# Altium PCB PROC114E3_BRD.PcbDoc (part 6 of 18) (continued)
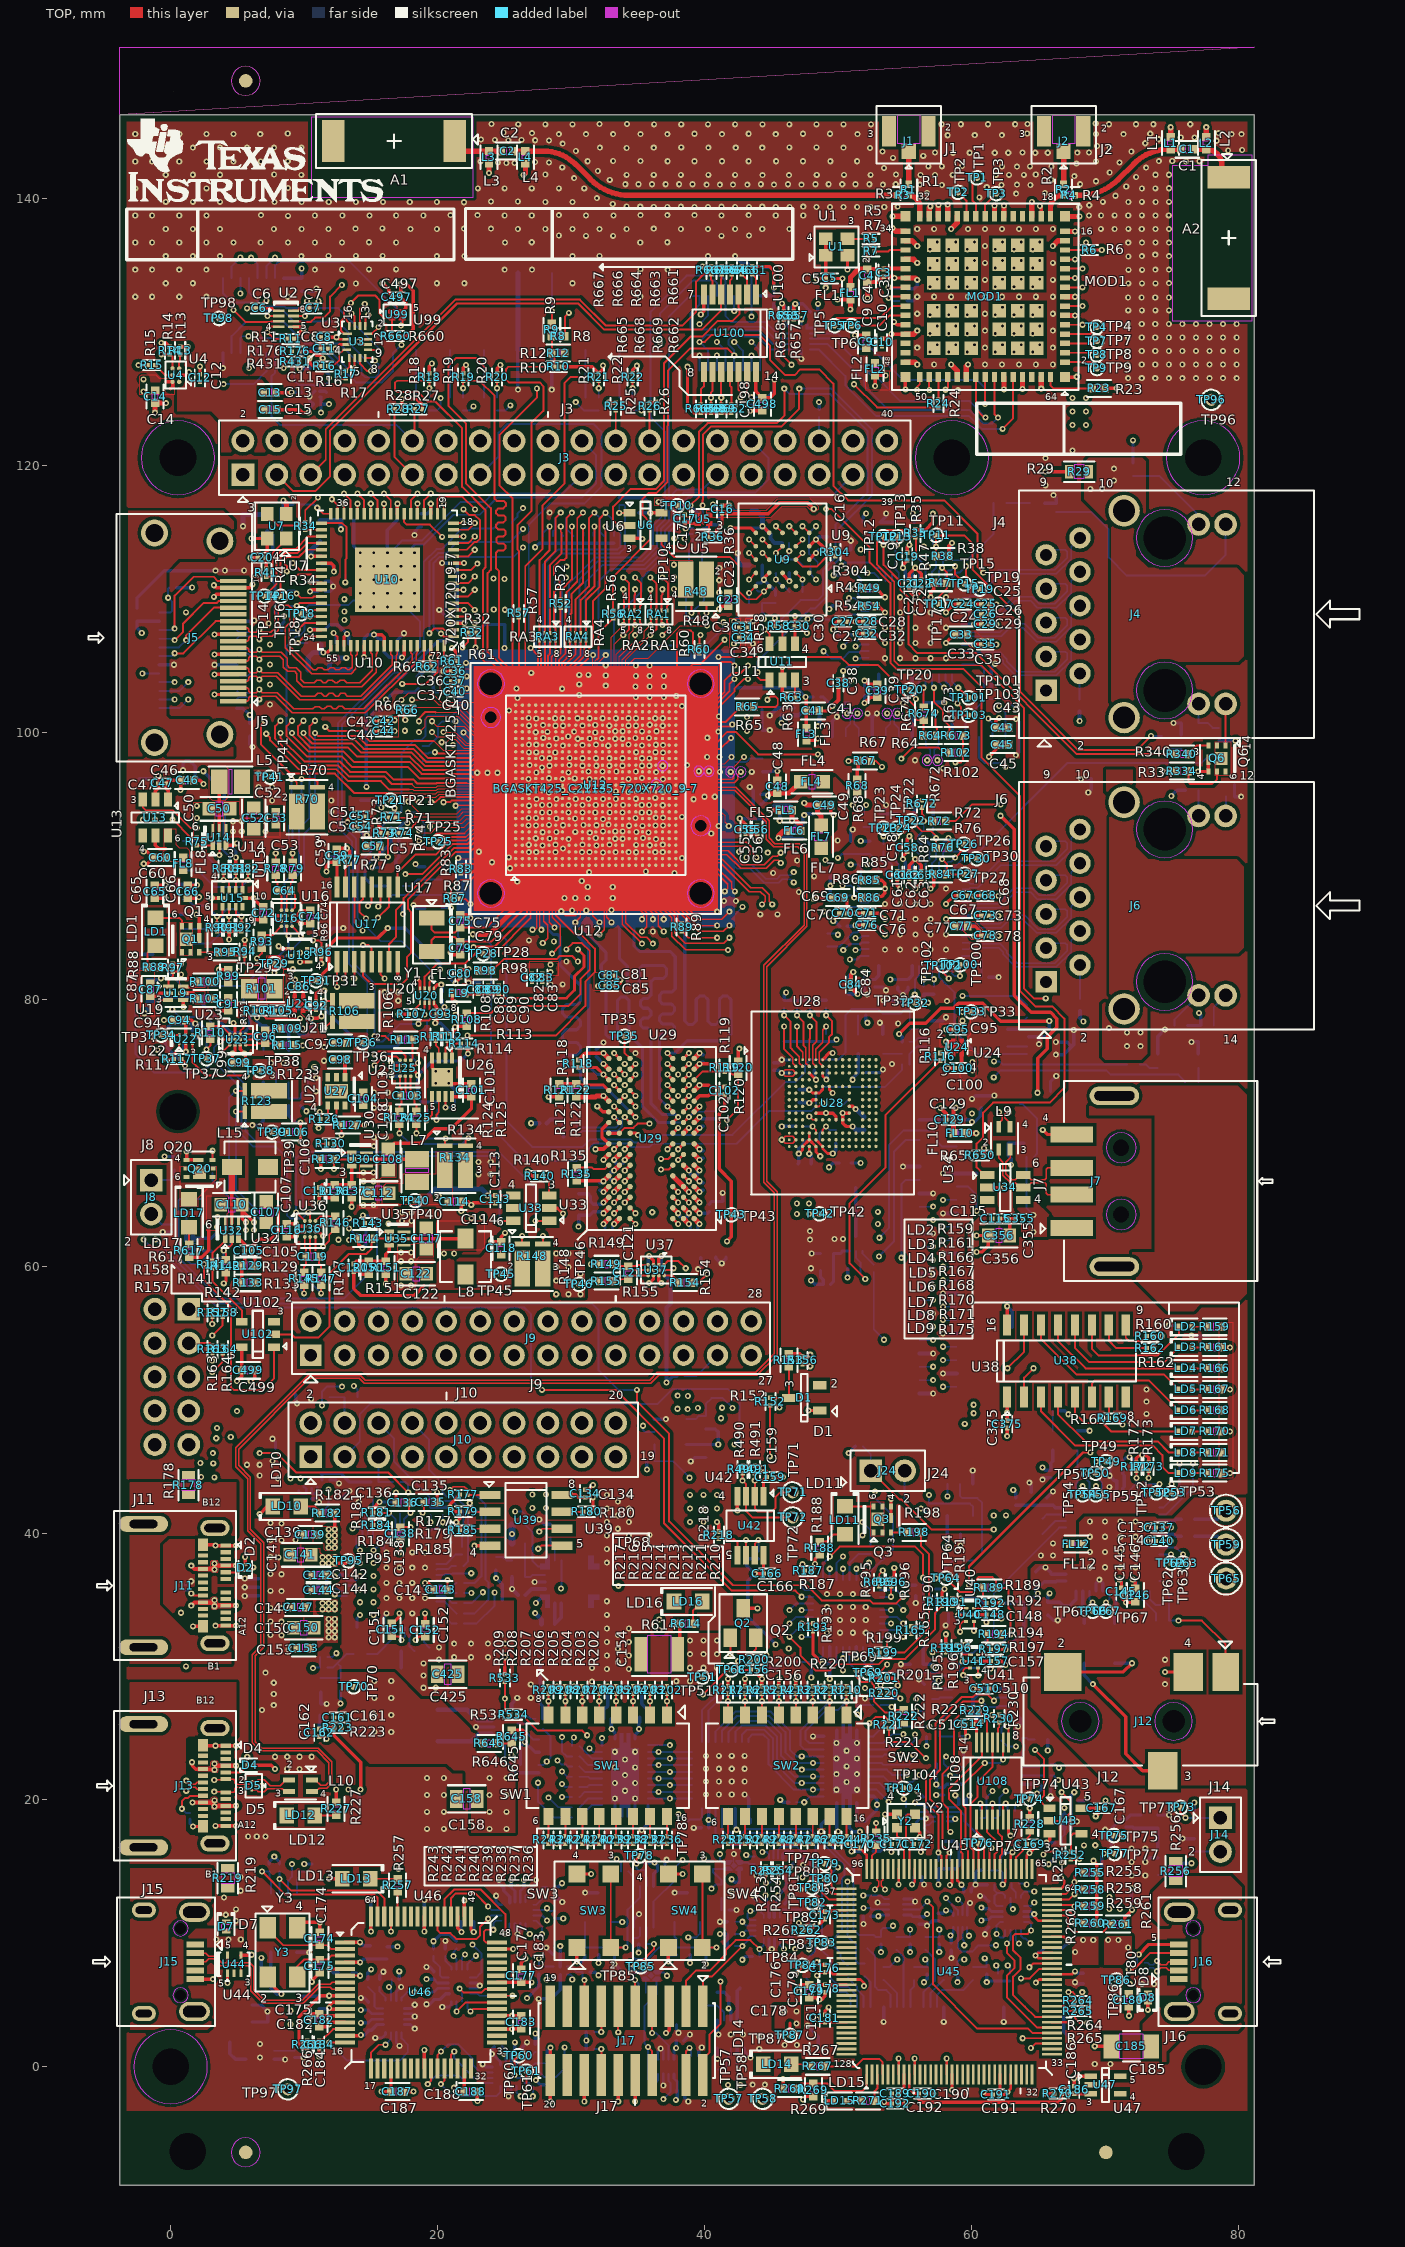
[diagram p0: TOP view]
## Nets (pads, with @x,y where several pads share a name; then routed paths per layer and width w, separated by ;. In a path a pad name is that pad's centre, name@x,y a point inside that pad or via, vN(x,y) a via of type N, cw(c..) or ccw(c..) an arc to the next point about the centre after c; other vN are vias at no path point) (continued)
DDR_A14_WEN:  | length 35.4
  TOP w0.23: 31.86,91.045 32.321,91.045 32.366,91.001 v1(32.404,91.001) ; 38.434,71.566 v1(38.834,71.966)
  L03_SIG1 w0.147: v1(32.404,91.001) 32.404,90.819 34.548,88.675 34.548,84.067 35.03,83.584 36.328,83.584 38.938,80.974 39.122,80.974 39.251,81.103 39.251,81.287 37.095,83.443 37.095,83.626 37.224,83.755 37.407,83.755 39.876,81.287 39.876,81.103 39.434,80.661 39.434,80.478 40.114,79.798 40.114,73.417 39.863,73.166 37.787,73.166 37.634,73.012 37.634,72.185 37.853,71.966 v1(38.834,71.966)
DDR_A15_CAS:  | length 35.4
  TOP w0.23: 31.361,91.545 31.361,91.06 v1(31.391,91.029) ; 33.634,72.366 v1(34.034,72.765)
  L03_SIG1 w0.147: v1(31.391,91.029) 31.373,91.029 25.714,85.37 25.714,75.467 25.961,75.22 25.961,74.915 25.815,74.769 25.815,74.478 29.1,71.194 29.47,71.194 29.58,71.304 29.58,71.998 29.69,72.108 29.846,72.108 29.956,71.998 29.956,71.304 30.066,71.194 30.222,71.194 30.332,71.304 30.332,71.998 30.442,72.108 30.598,72.108 30.708,71.998 30.708,71.304 30.818,71.194 30.974,71.194 31.084,71.304 31.084,71.998 31.194,72.108 31.35,72.108 31.46,71.998 31.46,71.304 31.57,71.194 32.494,71.194 32.867,71.566 33.399,71.566 33.654,71.82 33.654,72.385 v1(34.034,72.765)
DDR_A16_RAS:  | length 33.4
  TOP w0.23: 31.361,92.045 31.361,92.441 v1(31.406,92.487) ; v1(33.234,71.966) 33.634,71.566
  L08_SIG2 w0.081: v1(31.406,92.487) 31.406,91.527 31.854,91.079
  L08_SIG2 w0.147: 31.854,91.079 31.925,91.008 31.925,90.456 31.703,90.233 31.124,90.233 30.919,90.029 30.919,89.42 31.202,89.138 32.994,89.138 33.575,88.557 33.575,82.188 34.112,81.651 34.112,81.098 33.934,80.921 33.503,80.921 33.377,80.795 33.377,77.934 33.485,77.826 33.675,77.826 33.791,77.941 33.791,80.224 33.912,80.345 34.084,80.345 34.205,80.224 34.205,77.544 34.021,77.36 33.662,77.36 33.453,77.15 33.453,76.454 33.688,76.219 34.276,76.219 34.434,76.061 34.434,72.157 34.243,71.966 v1(33.234,71.966)
DDR_ACTN:  | length 32.9
  TOP w0.23: v1(31.86,92.087) 31.86,92.545 ; v1(37.234,71.966) 37.634,71.566
  BOTTOM w0.081: v1(31.86,92.087) 32.231,92.087 32.515,91.803 32.515,91.435 32.732,91.217 33.04,91.217 33.221,91.399 33.517,91.399 33.821,91.095 33.821,90.721
  BOTTOM w0.23: 33.821,90.721 32.165,89.065 32.165,87.54 32.569,87.136 34.322,87.136 34.709,86.749 34.709,84.028 35.143,83.594 37.417,83.594 37.816,83.195 37.816,80.789 37.586,80.559 36.885,80.559 36.655,80.329 36.655,79.87 36.885,79.64 37.542,79.64 37.758,79.424 37.758,79.119 37.542,78.903 36.849,78.903 36.633,78.686 36.633,78.381 36.849,78.165 37.542,78.165 37.758,77.949 37.758,77.643 37.542,77.427 36.849,77.427 36.633,77.211 36.633,72.566 v1(37.234,71.966)
DDR_ALERTN:  | length 24.5
  TOP w0.23: 30.547,74.9 31.9,74.9 v1(32.434,74.366) 32.834,73.966 ; 32.86,91.045 33.337,91.045 v1(33.353,91.029)
  BOTTOM w0.23: v1(32.434,74.366) 31.952,74.366 31.335,74.983 31.335,83.929 28.741,86.523 28.741,88.105 30.979,90.343 32.666,90.343 v1(33.353,91.029)
DDR_BA0:  | length 33.5
  TOP w0.081: v1(31.361,89.521) 31.361,90.045
  TOP w0.23: 38.434,73.165 v1(38.834,73.566)
  L08_SIG2 w0.147: v1(31.361,89.521) 33.14,89.521 34.017,88.644 34.017,87.543 34.149,87.41 34.462,87.41 34.595,87.278 34.595,87.091 34.462,86.958 34.149,86.958 34.017,86.826 34.017,82.359 34.63,81.746 34.63,77.713 34.754,77.589 35.137,77.589 35.253,77.474 35.264,77.474 35.264,77.209 35.132,77.077 34.664,77.077 34.532,76.944 34.532,76.757 34.665,76.624 35.132,76.624 35.264,76.492 35.264,71.994 35.584,71.674 36.531,71.674 36.647,71.557 37.413,71.557 37.633,71.777 37.633,75.355 37.844,75.565 39.014,75.565 39.234,75.345 39.234,73.966 v1(38.834,73.566)
DDR_BA1:  | length 33.5
  TOP w0.081: 31.86,90.045 31.86,89.81 31.927,89.744
  TOP w0.102: 31.927,89.744 31.927,89.05 31.848,88.972 31.848,87.064 31.64,86.855 31.64,86.262 v1(32.132,85.77)
  TOP w0.23: v1(33.234,73.566) 33.634,73.165
  L08_SIG2 w0.147: v1(32.132,85.77) 32.574,85.328 32.574,84.643 32.935,84.282 32.935,82.15 32.805,82.021 32.622,82.021 32.493,82.15 32.493,83.77 32.363,83.9 32.181,83.9 32.051,83.77 32.051,81.677 32.181,81.547 32.796,81.547 32.935,81.409 32.935,77.964 32.805,77.835 32.622,77.835 32.493,77.964 32.493,80.383 32.363,80.513 32.181,80.513 32.051,80.383 32.051,77.412 32.181,77.282 32.757,77.282 32.894,77.145 32.894,76.513 32.747,76.366 32.189,76.366 32.034,76.211 32.034,72.556 32.224,72.366 32.999,72.366 33.234,72.6 v1(33.234,73.566)
DDR_BG0:  | length 35.4
  TOP w0.23: v1(32.886,91.588) 32.929,91.545 33.361,91.545 ; 38.434,72.366 v1(38.834,72.765)
  L03_SIG1 w0.147: v1(32.886,91.588) 32.886,90.858 34.896,88.848 34.896,88.248 35.048,88.096 35.048,87.738 34.896,87.586 34.896,87.128 35.048,86.976 35.048,86.612 34.896,86.46 34.896,84.845 35.12,84.621 37.178,84.621 39.711,82.088 39.883,82.088 40.03,82.236 40.03,82.395 37.525,84.9 37.525,85.091 37.649,85.216 37.835,85.216 40.556,82.494 40.556,82.041 40.373,81.858 40.373,81.421 40.556,81.238 40.556,80.908 40.396,80.748 40.396,80.277 40.556,80.117 40.556,72.742 40.238,72.424 39.175,72.424 v1(38.834,72.765)
DDR_CKE:  | length 35.1
  TOP w0.081: 29.111,89.845 29.111,90.295 29.361,90.545
  TOP w0.102: 29.111,89.845 29.111,87.364 29.815,86.66 v1(30.088,86.66)
  TOP w0.23: 38.434,70.765 v1(38.834,71.165)
  BOTTOM w0.114: 37.786,70.766 38.434,70.766 v1(38.834,71.165) 39.234,71.566 39.971,71.566 40.011,71.605 40.806,71.605
  BOTTOM w0.23: v1(30.088,86.66) 31.065,85.683 31.065,85.063 32.612,83.515 32.612,82.926 32.272,82.586 32.272,82.012 32.612,81.671 32.612,77.361 32.842,77.131 33.237,77.131 33.501,77.395 33.501,79.929 33.731,80.159 34.112,80.159 34.342,79.929 34.342,77.365 35.349,76.357 35.349,71.976 36.559,70.766 37.786,70.766
DDR_CLKN:  | length 37.9
  TOP w0.081: 30.86,90.545 31.111,90.295 31.111,89.834
  TOP w0.102: 31.111,89.834 30.969,89.692 30.969,89.325 31.259,89.036 v1(31.259,88.412)
  TOP w0.153: v1(33.234,71.165) 33.634,70.765
  L08_SIG2 w0.107: v1(31.259,88.412) 31.492,88.645 32.397,88.645 32.516,88.527 32.516,87.537 32.376,87.396 31.763,87.396 31.53,87.163 31.53,85.255 31.402,85.127 31.402,81.871 31.295,81.764 30.049,81.764 29.816,81.531 29.816,81.078 30.049,80.845 31.26,80.845 31.37,80.734 31.37,79.877 31.243,79.75 30.661,79.75 30.408,79.497 30.408,79.138 30.661,78.884 31.243,78.884 31.37,78.757 31.37,78.577 31.243,78.45 30.661,78.45 30.408,78.196 30.408,77.837 30.661,77.584 31.243,77.584 31.37,77.456 31.37,77.276 31.243,77.149 30.661,77.149 30.408,76.896 30.408,76.537 30.661,76.283 31.243,76.283 31.37,76.156 31.37,75.976 31.243,75.849 30.661,75.849 30.408,75.595 30.408,75.236 30.661,74.983 31.243,74.983 31.37,74.855 31.37,74.554 31.055,74.239 31.055,73.754 31.37,73.439 31.37,73.081 31.055,72.766 31.055,72.283 31.37,71.968 31.37,71.638 31.65,71.359 32.342,71.359 32.426,71.275 32.676,71.275 32.76,71.359 33.04,71.359 v1(33.234,71.165)
  BOTTOM w0.153: 30.428,70.987 30.428,70.553 30.586,70.395 33.359,70.395 33.533,70.569 33.533,71.013 33.38,71.165 v1(33.234,71.165)
DDR_CLKP:  | length 37.9
  TOP w0.102: v1(30.81,88.861) 30.81,89.168 30.745,89.233 30.745,89.785 30.86,89.9 30.86,90.045
  TOP w0.153: v1(34.034,71.165) 34.434,70.765
  L08_SIG2 w0.107: v1(30.81,88.861) 32.487,88.861 32.732,88.616 32.732,87.447 32.465,87.18 31.853,87.18 31.746,87.074 31.746,85.165 31.618,85.037 31.618,81.781 31.385,81.548 30.138,81.548 30.032,81.442 30.032,81.167 30.138,81.061 31.349,81.061 31.586,80.824 31.586,79.788 31.333,79.534 30.751,79.534 30.624,79.407 30.624,79.227 30.751,79.1 31.333,79.1 31.586,78.846 31.586,78.487 31.333,78.234 30.751,78.234 30.624,78.107 30.624,77.927 30.751,77.799 31.333,77.799 31.586,77.546 31.586,77.187 31.333,76.933 30.751,76.933 30.624,76.806 30.624,76.626 30.751,76.499 31.333,76.499 31.586,76.245 31.586,75.886 31.333,75.633 30.751,75.633 30.624,75.506 30.624,75.326 30.751,75.198 31.333,75.198 31.586,74.945 31.586,74.464 31.271,74.149 31.271,73.844 31.586,73.529 31.586,72.991 31.271,72.676 31.271,72.373 31.586,72.058 31.586,71.728 31.739,71.575 33.625,71.575 v1(34.034,71.165)
  BOTTOM w0.153: 30.428,69.717 30.831,70.12 33.473,70.12 33.808,70.455 33.808,70.94 v1(34.034,71.165)
DDR_CSN:  | length 32.9
  TOP w0.23: v1(30.319,92.553) 30.331,92.553 30.353,92.574 30.678,92.574 30.712,92.54 30.856,92.54 30.86,92.545 ; 34.434,71.566 v1(34.834,71.165)
  BOTTOM w0.23: v1(30.319,92.553) 30.319,91.215 28.284,89.181 28.284,85.253 28.691,84.846 29.014,84.846 29.192,84.668 29.192,82.548 30.7,81.041 30.7,79.875 30.424,79.599 29.656,79.599 29.38,79.324 29.38,78.934 29.656,78.658 30.424,78.658 30.7,78.383 30.7,77.993 30.424,77.717 29.656,77.717 29.38,77.442 29.38,77.052 29.656,76.776 30.424,76.776 30.7,76.5 30.7,76.111 30.424,75.835 29.656,75.835 29.38,75.559 29.38,75.17 29.656,74.894 30.424,74.894 30.7,74.618 30.7,74.125 31.434,73.391 32.609,73.391 v1(34.834,71.165)
DDR_DQ0:  | length 42.7
  TOP w0.216: v1(38.034,67.966) 38.434,68.366
  TOP w0.23: 28.36,91.545 28.728,91.545 28.771,91.588 v1(28.844,91.588)
  L08_SIG2 w0.147: v1(28.844,91.588) 28.453,91.197 28.453,87.845 25.772,85.164 25.772,83.308 24.808,82.345 24.808,77.231 25.012,77.028 25.012,70.244 26.408,68.848 30.96,68.848 31.277,69.165 33.445,69.165 33.633,68.978 33.633,68.547 33.815,68.366 34.229,68.366 35.793,66.801 36.888,66.801 37.177,67.089 37.177,68.194 36.792,68.579 36.792,69.025 36.964,69.197 37.487,69.197 37.634,69.05 37.634,68.6 38.034,68.2 v1(38.034,67.966)
DDR_DQ1:  | length 42.7
  TOP w0.23: v1(28.902,92.545) 29.361,92.545 ; v1(34.034,67.165) 34.434,67.566
  L08_SIG2 w0.081: 26.925,92.006 27.215,91.716 27.546,91.716 27.707,91.877 27.721,91.877 28.01,92.166 28.023,92.166 28.275,92.418 28.456,92.418 28.583,92.545 v1(28.902,92.545)
  L08_SIG2 w0.147: 26.925,92.006 26.587,92.006 26.44,91.859 26.44,90.671 26.834,90.277 26.834,88.09 24.461,85.717 24.461,84.149 23.132,82.819 23.132,82.319 23.339,82.112 23.339,81.867 23.132,81.66 23.132,81.415 23.339,81.208 23.339,80.963 23.132,80.756 23.132,80.511 23.339,80.304 23.339,80.059 23.132,79.852 23.132,79.606 23.339,79.399 23.339,79.154 23.132,78.947 23.132,69.986 26.485,66.632 28.009,66.632 28.542,67.166 28.738,67.166 28.87,67.033 28.87,66.898 29.002,66.765 29.19,66.765 29.322,66.898 29.322,67.042 29.455,67.174 29.642,67.174 29.774,67.042 29.774,66.898 29.907,66.765 30.094,66.765 30.227,66.898 30.227,67.042 30.359,67.174 30.546,67.174 30.679,67.042 30.679,66.898 30.811,66.765 30.998,66.765 31.131,66.898 31.131,67.042 31.263,67.174 31.451,67.174 31.583,67.042 31.583,66.898 31.715,66.765 33.634,66.765 v1(34.034,67.165)
DDR_DQ2:  | length 42.7
  TOP w0.081: 27.86,91.045 v1(27.86,91.518)
  TOP w0.23: v1(37.234,68.765) 37.634,69.165
  L08_SIG2 w0.147: v1(27.86,91.518) 27.86,90.645 27.402,90.187 27.402,88.062 24.903,85.564 24.903,83.774 23.95,82.821 23.95,78.641 23.574,78.265 23.574,77.919 23.706,77.786 23.834,77.786 23.966,77.654 23.966,77.467 23.834,77.334 23.706,77.334 23.574,77.202 23.574,70.169 26.177,67.566 28.955,67.566 29.117,67.728 29.494,67.728 29.657,67.566 31.93,67.566 32.097,67.399 32.688,67.399 32.854,67.566 34.476,67.566 34.713,67.329 34.713,66.782 34.952,66.543 36.995,66.543 37.482,67.029 37.482,68.296 37.234,68.543 v1(37.234,68.765)
DDR_DQ3:  | length 42.7
  TOP w0.23: 28.36,91.045 28.738,91.045 28.754,91.029 v1(28.844,91.029) ; v1(34.034,68.765) 34.434,69.165
  L08_SIG2 w0.147: v1(28.844,91.029) 28.844,87.558 28.486,87.199 28.486,87.032 28.874,86.644 28.874,86.478 28.756,86.36 28.59,86.36 28.201,86.749 28.036,86.749 27.918,86.631 27.918,86.465 28.424,85.958 28.424,85.792 28.307,85.674 28.14,85.674 27.634,86.181 27.391,86.181 26.213,85.002 26.213,83.128 25.209,82.125 25.209,77.494 25.589,77.115 25.589,75.305 25.736,75.157 25.945,75.157 26.092,75.305 26.092,76.971 26.239,77.118 26.436,77.118 26.584,76.971 26.584,74.789 26.4,74.605 25.675,74.605 25.527,74.458 25.527,74.249 25.875,73.901 25.875,72.741 25.736,72.602 25.519,72.602 25.38,72.462 25.38,72.266 25.519,72.127 25.736,72.127 25.875,71.987 25.875,71.791 25.736,71.652 25.519,71.652 25.38,71.512 25.38,71.316 25.519,71.177 25.736,71.177 25.875,71.037 25.875,70.071 26.677,69.27 30.728,69.27 30.897,69.439 33.834,69.439 34.034,69.239 v1(34.034,68.765)
DDR_DQ4:  | length 42.7
  TOP w0.102: 28.36,90.045 28.36,85.786 v1(28.767,85.38)
  TOP w0.23: v1(38.034,68.765) 38.434,69.165
  L08_SIG2 w0.147: v1(28.767,85.38) 29.135,85.011 29.135,83.289 28.956,83.11 28.956,74.539 29.061,74.434 29.253,74.434 29.383,74.564 29.383,80.187 29.468,80.272 29.688,80.272 29.784,80.175 29.784,74.605 30.433,73.955 30.433,71.468 31.136,70.765 35.303,70.765 35.629,71.091 37.19,71.091 37.515,70.765 38.263,70.765 38.434,70.594 38.434,69.165 v1(38.034,68.765)
DDR_DQ5:  | length 42.7
  TOP w0.23: v1(28.402,92.045) 28.86,92.045 ; v1(33.234,68.765) 33.634,69.165
  L08_SIG2 w0.147: v1(28.402,92.045) 28.417,92.04 28.402,92.025 28.402,91.483 28.215,91.296 28.215,90.568 27.84,90.193 27.84,89.77 28.033,89.577 28.033,89.14 27.836,88.943 27.836,88.57 28.033,88.373 28.033,88.06 25.345,85.372 25.345,83.503 24.407,82.564 24.407,76.882 24.644,76.645 24.644,75.972 24.526,75.854 24.093,75.854 23.975,75.736 23.975,75.57 24.093,75.453 24.526,75.453 24.644,75.335 24.644,75.169 24.526,75.051 24.093,75.051 23.975,74.934 23.975,74.768 24.093,74.65 24.526,74.65 24.644,74.532 24.644,74.366 24.526,74.249 24.093,74.249 23.975,74.131 23.975,73.965 24.093,73.847 24.526,73.847 24.644,73.73 24.644,73.564 24.526,73.446 24.093,73.446 23.975,73.329 23.975,73.162 24.093,73.045 24.526,73.045 24.644,72.927 24.644,72.761 24.526,72.643 24.093,72.643 23.975,72.526 23.975,72.36 24.093,72.242 24.526,72.242 24.644,72.125 24.644,71.958 24.526,71.841 24.093,71.841 23.975,71.723 23.975,71.557 24.093,71.44 24.526,71.44 24.644,71.322 24.644,71.156 24.526,71.038 24.093,71.038 23.975,70.921 23.975,70.754 24.093,70.637 24.526,70.637 24.644,70.519 24.644,69.86 26.392,68.111 26.829,68.111 27.021,68.303 27.395,68.303 27.566,68.132 27.947,68.132 28.119,68.303 28.458,68.303 28.632,68.129 28.984,68.129 29.158,68.303 29.651,68.303 29.817,68.137 30.867,68.137 31.034,68.303 32.045,68.303 32.183,68.442 32.91,68.442 v1(33.234,68.765)
DDR_DQ6:  | length 42.7
  TOP w0.081: 28.611,89.824 28.611,90.295 28.86,90.545
  TOP w0.102: v1(28.589,83.424) 29.199,84.033 29.199,85.557 28.611,86.145 28.611,89.824
  TOP w0.23: 37.634,69.966 v1(38.034,70.366)
  L08_SIG2 w0.147: v1(28.589,83.424) 28.026,82.86 28.026,80.867 28.588,80.305 28.588,78.68 28.47,78.563 28.163,78.563 28.026,78.426 28.026,78.217 28.143,78.1 28.47,78.1 28.588,77.982 28.588,77.816 28.47,77.698 28.143,77.698 28.026,77.581 28.026,77.415 28.143,77.297 28.47,77.297 28.588,77.179 28.588,77.013 28.47,76.896 28.143,76.896 28.026,76.778 28.026,76.612 28.143,76.494 28.47,76.494 28.588,76.377 28.588,76.211 28.47,76.093 28.143,76.093 28.026,75.975 28.026,75.809 28.143,75.692 28.47,75.692 28.588,75.574 28.588,75.408 28.47,75.29 28.143,75.29 28.026,75.173 28.026,75.007 28.143,74.889 28.47,74.889 28.588,74.772 28.588,74.605 28.47,74.488 28.143,74.488 28.026,74.37 28.026,73.338 28.187,73.176 28.483,73.176 28.631,73.323 28.631,73.904 28.778,74.051 28.986,74.051 29.134,73.904 29.134,72.554 29.276,72.412 29.454,72.412 29.581,72.539 29.581,73.77 29.689,73.878 29.935,73.878 30.058,73.756 30.058,71.062 30.243,70.877 30.51,70.877 30.908,70.48 35.257,70.48 35.519,70.218 35.851,70.218 36.128,69.941 36.128,69.677 36.281,69.524 36.623,69.524 36.77,69.671 36.77,70.272 36.918,70.419 37.17,70.419 37.318,70.272 37.318,69.73 37.465,69.582 37.886,69.582 38.034,69.729 v1(38.034,70.366)
DDR_DQ7:  | length 42.7
  TOP w0.081: 28.11,89.809 28.11,90.295 28.36,90.545
  TOP w0.102: v1(27.883,84.211) 28.259,84.587 28.259,85.553 27.979,85.832 27.979,88.402 28.11,88.533 28.11,89.809
  TOP w0.23: 34.434,69.966 34.44,69.972 34.865,69.972 v1(35.018,69.82)
  L08_SIG2 w0.147: v1(27.883,84.211) 27.883,83.462 27.395,82.974 27.395,82.539 27.635,82.299 27.635,81.875 27.518,81.758 27.266,81.758 27.149,81.64 27.149,81.474 27.266,81.356 27.518,81.356 27.635,81.239 27.635,80.252 27.743,80.144 28.091,80.144 28.199,80.036 28.199,79.884 28.091,79.776 27.743,79.776 27.635,79.668 27.635,79.515 27.743,79.407 28.091,79.407 28.199,79.299 28.199,79.147 28.091,79.039 27.743,79.039 27.635,78.931 27.635,73.727 27.448,73.539 27.043,73.539 26.895,73.392 26.895,71.245 27.02,71.121 27.222,71.121 27.338,71.237 27.338,72.91 27.469,73.04 27.671,73.04 27.79,72.922 27.79,70.481 27.937,70.334 28.145,70.334 28.293,70.481 28.293,72.17 28.392,72.269 28.612,72.269 28.716,72.165 28.716,70.481 28.863,70.334 29.042,70.334 29.187,70.479 29.187,71.733 29.296,71.841 29.516,71.841 29.62,71.737 29.62,70.529 29.767,70.382 30.442,70.382 30.623,70.201 34.637,70.201 v1(35.018,69.82)
DDR_DQ8:  | length 49.4
  TOP w0.102: 33.86,90.045 33.86,85.635 v1(35.325,84.17)
  TOP w0.23: 37.634,63.566 v1(38.034,63.165)
  L08_SIG2 w0.147: v1(35.325,84.17) 35.325,83.647 36.065,82.907 36.065,81.167 39.324,77.908 39.324,77.755 39.217,77.648 39.064,77.648 36.321,80.39 36.169,80.39 36.061,80.282 36.061,80.129 38.582,77.608 38.582,77.474 38.462,77.353 38.316,77.353 36.271,79.398 36.137,79.398 36.007,79.268 36.007,79.141 38.186,76.962 39.052,76.962 39.585,77.495 39.738,77.495 40.68,76.552 40.68,69.34 40.038,68.698 40.038,67.751 39.852,67.566 39.423,67.566 39.234,67.377 39.234,67 39,66.766 38.303,66.766 37.29,65.752 37.29,63.369 37.493,63.165 v1(38.034,63.165)
DDR_DQ9:  | length 49.3
  TOP w0.23: v1(33.234,63.966) 33.634,64.366 ; 33.86,91.045 34.31,91.045 v1(34.326,91.029)
  L08_SIG2 w0.147: v1(33.234,63.966) 33.655,63.544 33.655,62.724 34.444,61.935 40.286,61.935 44.634,66.284 44.634,81.82 44.347,82.107 44.163,82.107 43.955,81.899 43.772,81.899 43.643,82.028 43.643,82.211 43.851,82.42 43.851,82.603 43.722,82.732 43.538,82.732 43.33,82.524 43.146,82.524 43.017,82.653 43.017,82.837 43.225,83.045 43.225,83.228 43.096,83.358 42.913,83.358 42.705,83.149 42.521,83.149 42.392,83.279 42.392,83.462 42.6,83.67 42.6,83.854 42.305,84.149 40.767,84.149 37.758,87.158 37.758,88.125 37.578,88.306 37.394,88.306 37.137,88.049 36.954,88.049 36.824,88.178 36.824,88.361 37.082,88.619 37.082,88.802 35.77,90.114 34.933,90.114 34.326,90.721 v1(34.326,91.029)
DDR_DQ10:  | length 49.3
  TOP w0.081: 33.86,90.545 34.11,90.295 34.11,89.759
  TOP w0.102: 34.11,89.759 34.11,85.747 35.217,84.64 35.667,84.64 v1(36.138,84.17)
  TOP w0.23: 37.634,65.165 v1(38.034,64.765)
  L08_SIG2 w0.147: v1(36.138,84.17) 37.592,82.716 37.592,81.818 41.417,77.994 41.417,77.461 41.525,77.353 41.975,77.353 42.083,77.245 42.083,77.092 41.975,76.984 41.525,76.984 41.417,76.876 41.417,71.532 41.506,71.443 41.698,71.443 41.785,71.53 41.785,76.443 41.875,76.533 42.067,76.533 42.153,76.447 42.153,70.604 42.045,70.496 41.544,70.496 41.436,70.388 41.436,70.236 41.544,70.128 42.045,70.128 42.153,70.02 42.153,69.868 42.045,69.76 41.547,69.76 41.439,69.652 41.439,69.499 41.547,69.392 42.045,69.392 42.153,69.284 42.153,68.058 41.923,67.827 41.757,67.827 41.139,68.446 40.973,68.446 40.855,68.328 40.855,68.162 41.473,67.543 41.473,67.377 40.062,65.966 37.868,65.966 37.628,65.725 37.628,64.913 37.775,64.765 v1(38.034,64.765)
DDR_DQ11:  | length 49.4
  TOP w0.23: v1(33.877,92.029) 33.896,92.029 33.912,92.045 34.36,92.045 ; v1(34.034,64.765) 34.434,65.165
  L08_SIG2 w0.147: v1(33.877,92.029) 33.877,90.565 35.678,88.764 35.861,88.764 36.13,89.033 36.313,89.033 36.443,88.904 36.443,88.72 36.174,88.452 36.174,88.197 41.128,83.243 41.837,83.243 42.036,83.044 42.036,82.861 41.78,82.605 41.78,82.421 41.909,82.292 42.093,82.292 42.349,82.548 42.532,82.548 42.661,82.419 42.661,82.235 42.405,81.979 42.405,81.796 42.535,81.667 42.718,81.667 42.974,81.923 43.157,81.923 43.287,81.793 43.287,81.61 43.031,81.354 43.031,81.171 43.16,81.041 43.343,81.041 43.599,81.297 43.912,81.297 44.233,80.976 44.233,80.695 44.036,80.498 44.036,80.073 44.233,79.877 44.233,66.502 40.032,62.301 34.616,62.301 34.034,62.884 v1(34.034,64.765)
DDR_DQ12:  | length 49.3
  TOP w0.081: 34.86,90.545 35.112,90.294 35.112,89.878 35.043,89.81 35.043,89.149
  TOP w0.102: 35.043,89.149 35.105,89.087 35.105,87.823 36.542,86.387 36.542,85.493 v1(36.951,85.084)
  TOP w0.23: 38.434,65.165 v1(38.834,64.765)
  L08_SIG2 w0.147: v1(36.951,85.084) 36.608,84.741 36.608,84.285 38.242,82.65 38.242,82.437 37.983,82.178 37.983,81.999 38.164,81.818 38.33,81.818 38.635,82.123 38.802,82.123 38.919,82.005 38.919,81.839 38.614,81.534 38.614,81.368 38.732,81.25 38.898,81.25 39.203,81.555 39.369,81.555 39.487,81.437 39.487,81.271 39.182,80.966 39.182,80.8 39.3,80.682 39.466,80.682 39.771,80.987 39.937,80.987 40.055,80.869 40.055,80.703 39.75,80.398 39.75,80.232 39.868,80.114 40.034,80.114 40.339,80.419 40.505,80.419 40.623,80.301 40.623,80.135 40.318,79.83 40.318,79.664 40.436,79.546 40.602,79.546 40.907,79.851 41.073,79.851 41.191,79.733 41.191,79.567 40.886,79.262 40.886,79.096 41.004,78.978 41.17,78.978 41.475,79.283 41.641,79.283 41.759,79.165 41.759,78.999 41.454,78.694 41.454,78.528 41.572,78.41 41.738,78.41 42.043,78.715 42.209,78.715 42.327,78.597 42.327,78.431 42.022,78.126 42.022,77.96 42.14,77.842 42.306,77.842 42.611,78.147 42.874,78.147 43.021,78 43.021,77.451 42.874,77.304 42.644,77.304 42.501,77.16 42.501,76.957 42.644,76.814 42.932,76.814 43.08,76.667 43.08,75.732 42.962,75.614 42.67,75.614 42.553,75.496 42.553,75.33 42.67,75.213 42.962,75.213 43.08,75.095 43.08,74.929 42.962,74.811 42.67,74.811 42.553,74.694 42.553,74.528 42.67,74.41 42.962,74.41 43.08,74.292 43.08,74.126 42.962,74.009 42.67,74.009 42.553,73.891 42.553,73.725 42.67,73.607 42.962,73.607 43.08,73.49 43.08,73.324 42.962,73.206 42.67,73.206 42.553,73.088 42.553,72.922 42.67,72.805 42.962,72.805 43.08,72.687 43.08,72.521 42.962,72.403 42.67,72.403 42.553,72.286 42.553,72.12 42.67,72.002 42.962,72.002 43.08,71.885 43.08,71.718 42.962,71.601 42.67,71.601 42.553,71.483 42.553,71.317 42.67,71.2 42.962,71.2 43.08,71.082 43.08,70.916 42.962,70.798 42.67,70.798 42.553,70.681 42.553,70.514 42.67,70.397 42.962,70.397 43.08,70.279 43.08,70.113 42.962,69.996 42.67,69.996 42.553,69.878 42.553,69.712 42.67,69.594 42.962,69.594 43.08,69.477 43.08,69.311 42.962,69.193 42.67,69.193 42.553,69.075 42.553,68.909 42.67,68.792 42.962,68.792 43.08,68.674 43.08,68.433 40.256,65.609 40.256,64.573 40.049,64.366 39.234,64.366 v1(38.834,64.765)
DDR_DQ13:  | length 49.3
  TOP w0.23: v1(33.234,64.765) 33.634,65.165 ; 34.36,92.545 v1(34.903,92.545)
  L08_SIG2 w0.081: v1(34.903,92.545) 34.903,92.093 35.392,91.605
  L08_SIG2 w0.147: v1(33.234,64.765) 32.834,64.365 32.834,62.961 34.23,61.565 40.53,61.565 45.015,66.05 45.015,82.122 42.067,85.07 40.422,85.07 38.136,87.356 38.136,88.338 35.392,91.082 35.392,91.605
DDR_DQ14:  | length 49.3
  TOP w0.081: 35.23,89.363 35.23,89.739 35.361,89.87 35.361,90.045
  TOP w0.102: 35.23,89.363 35.347,89.246 35.347,87.941 36.951,86.337 v1(36.951,85.999)
  TOP w0.23: 37.634,65.966 v1(38.034,65.566)
  L08_SIG2 w0.147: v1(36.951,85.999) 37.706,85.243 37.706,84.908 37.379,84.58 37.379,84.174 40.055,81.498 40.239,81.498 40.368,81.627 40.368,81.81 37.897,84.282 37.897,84.451 38.148,84.702 38.357,84.702 40.673,82.386 40.673,82.131 40.993,81.81 40.993,81.627 40.551,81.185 40.551,81.002 42.671,78.882 42.909,78.882 43.039,79.012 43.308,79.012 43.456,78.864 43.456,68.224 42.932,67.701 42.932,67.535 43.296,67.171 43.296,67.005 43.178,66.887 43.012,66.887 42.648,67.251 42.482,67.251 42.364,67.133 42.364,66.967 42.728,66.603 42.728,66.437 42.611,66.319 42.444,66.319 42.08,66.683 41.914,66.683 41.796,66.565 41.796,66.399 42.16,66.035 42.16,65.869 42.043,65.751 41.876,65.751 41.512,66.115 41.346,66.115 40.664,65.433 40.664,65.014 40.893,64.785 40.893,64.4 40.058,63.566 38.606,63.566 38.434,63.737 38.434,65.165 v1(38.034,65.566)
DDR_DQ15:  | length 49.4
  TOP w0.081: 34.86,89.054 34.86,90.045
  TOP w0.102: 34.86,89.054 34.86,87.725 36.138,86.447 v1(36.138,85.999)
  TOP w0.23: v1(34.034,65.566) 34.434,65.966
  L08_SIG2 w0.147: v1(34.034,65.566) 34.487,65.112 34.487,64.449 34.385,64.347 34.385,62.995 34.748,62.631 39.724,62.631 43.832,66.739 43.832,79.718 43.609,79.94 43.425,79.94 42.983,79.498 42.8,79.498 41.285,81.013 41.285,81.196 41.415,81.326 41.598,81.326 42.8,80.124 42.983,80.124 43.113,80.253 43.113,80.436 41.22,82.329 41.22,82.589 36.721,87.089 36.285,87.089 36.138,86.942 v1(36.138,85.999)
DDR_LDM:  | length 42.7
  TOP w0.23: 29.361,92.045 29.784,92.045 v1(29.826,92.003) ; v1(34.034,66.366) 34.434,66.765
  L08_SIG2 w0.081: 27.457,92.602 27.746,92.89 28.038,92.89 28.205,92.723 28.533,92.723 28.718,92.908 29.044,92.908 29.582,92.371 29.582,92.273 29.826,92.029 v1(29.826,92.003)
  L08_SIG2 w0.147: 27.457,92.602 26.607,92.602 26.099,92.095 26.099,90.278 26.464,89.913 26.464,88.335 23.97,85.84 23.97,84.421 22.733,83.184 22.733,69.793 26.56,65.966 33.634,65.966 v1(34.034,66.366)
DDR_LDQS_N:  | length 42.7
  TOP w0.081: 27.611,89.828 27.611,90.295 27.86,90.545
  TOP w0.102: v1(27.121,85.211) 27.273,85.211 27.426,85.364 27.426,88.763 27.611,88.948 27.611,89.828
  TOP w0.153: v1(36.741,67.24) 37.308,67.24 37.634,67.566
  L08_SIG2 w0.107: v1(27.121,85.211) 27.283,85.049 27.283,83.674 26.739,83.129 26.739,82.532 25.664,81.458 25.664,77.838 25.899,77.603 26.297,77.603 26.53,77.836 26.53,80.658 26.637,80.764 26.858,80.764 26.965,80.658 26.965,74.466 26.256,73.758 26.256,70.237 26.811,69.682 34.184,69.682 34.673,69.193 35.582,69.193 35.688,69.087 35.688,67.474 35.921,67.241 36.74,67.241 v1(36.741,67.24)
DDR_LDQS_P:  | length 42.7
  TOP w0.102: v1(27.782,85.211) 27.649,85.343 27.649,88.67 27.834,88.855 27.834,90.019 27.86,90.045
  TOP w0.153: v1(36.741,68.04) 37.308,68.04 37.634,68.366
  L08_SIG2 w0.107: v1(27.782,85.211) 27.499,84.929 27.499,83.585 26.954,83.04 26.954,82.442 25.88,81.368 25.88,77.928 25.989,77.819 26.208,77.819 26.314,77.926 26.314,80.747 26.547,80.98 26.948,80.98 27.181,80.747 27.181,74.377 26.472,73.668 26.472,70.327 26.901,69.898 34.273,69.898 34.762,69.409 35.671,69.409 35.904,69.176 35.904,67.563 36.011,67.457 36.224,67.457 36.331,67.563 36.331,68.278 36.43,68.377 36.63,68.377 36.741,68.266 v1(36.741,68.04)
DDR_ODT:  | length 32.9
  TOP w0.102: 29.361,90.045 29.361,88.074 29.509,87.926 v1(29.509,87.599)
  TOP w0.23: 37.634,70.765 v1(38.034,71.165)
  BOTTOM w0.23: v1(29.509,87.599) 29.975,87.132 31.41,87.132 31.64,86.902 31.64,86.457 31.869,86.227 33.416,86.227 33.646,85.997 33.646,83.047 34.218,82.475 34.218,81.33 34.43,81.117 34.931,81.117 35.126,81.312 35.126,82.31 35.356,82.54 36.931,82.54 37.161,82.31 37.161,81.806 36.902,81.547 36.217,81.547 35.987,81.317 35.987,80.282 35.771,80.066 35.419,80.066 35.203,79.85 35.203,79.544 35.419,79.328 35.771,79.328 35.987,79.112 35.987,78.807 35.771,78.59 35.419,78.59 35.203,78.374 35.203,78.069 35.419,77.853 35.771,77.853 35.987,77.636 35.987,72.201 36.819,71.369 37.83,71.369 v1(38.034,71.165)
DDR_PARITY:  | length 32.9
  TOP w0.102: v1(33.135,88.412) 33.361,88.638 33.361,90.045
  TOP w0.23: v1(37.234,75.966) 37.634,75.566
  BOTTOM w0.23: v1(33.135,88.412) 33.541,88.005 35.657,88.005 38.527,85.135 38.527,78.368 38.78,78.115 39.138,78.115 39.392,78.368 39.392,79.993 39.645,80.246 40.003,80.246 40.256,79.993 40.256,78.368 40.51,78.115 40.868,78.115 41.121,78.368 41.121,79.993 41.375,80.246 41.733,80.246 41.986,79.993 41.986,77.367 41.51,76.891 38.702,76.891 37.777,75.966 v1(37.234,75.966)